# Altium PCB Working.PcbDoc
Units mil, origin at the board's own origin, x right, y up, seen from the top; angles counter-clockwise.
Board outline 1970 x 1180 mil, 2 copper layers (Top Layer, Bottom Layer); 65 components, 42 nets, 262 pads, 58 vias.
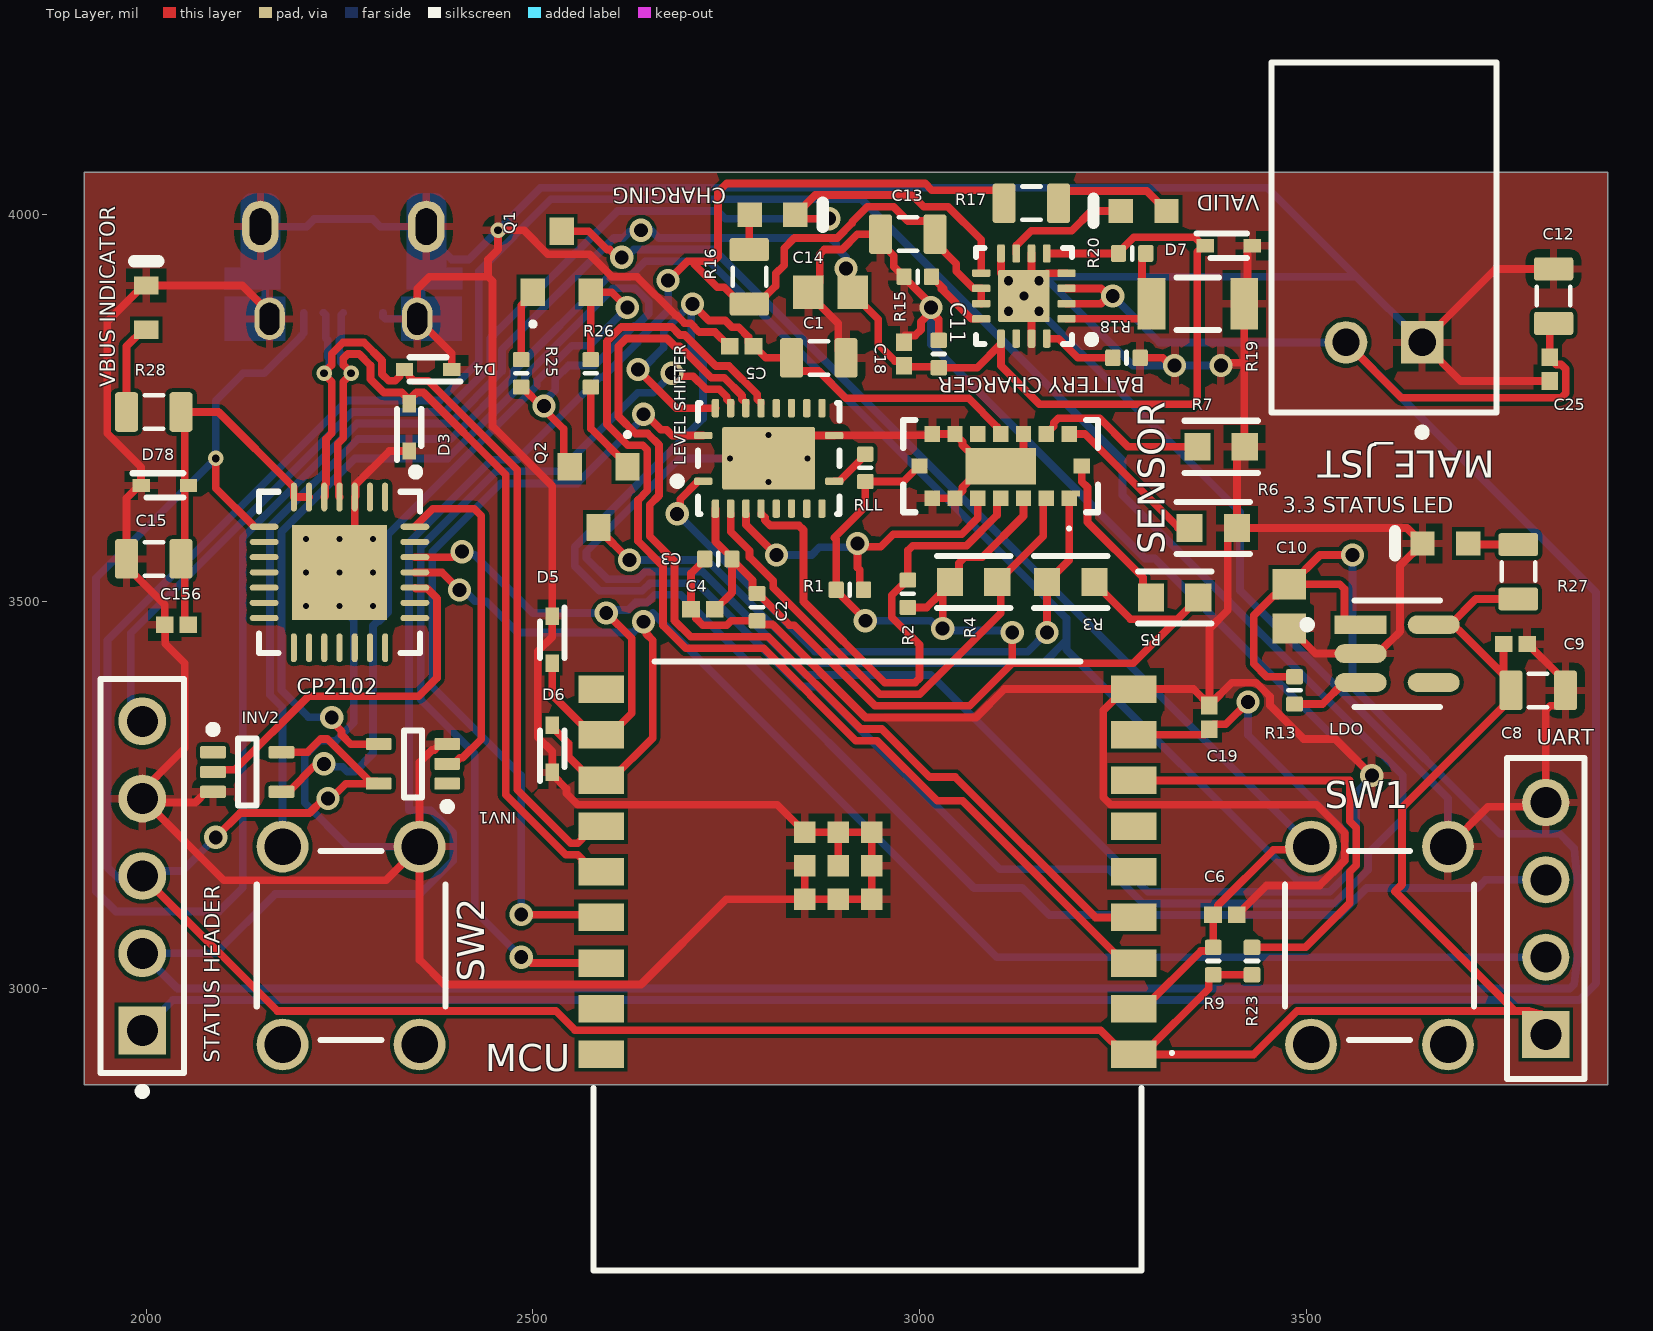
[diagram p0: Top Layer view]
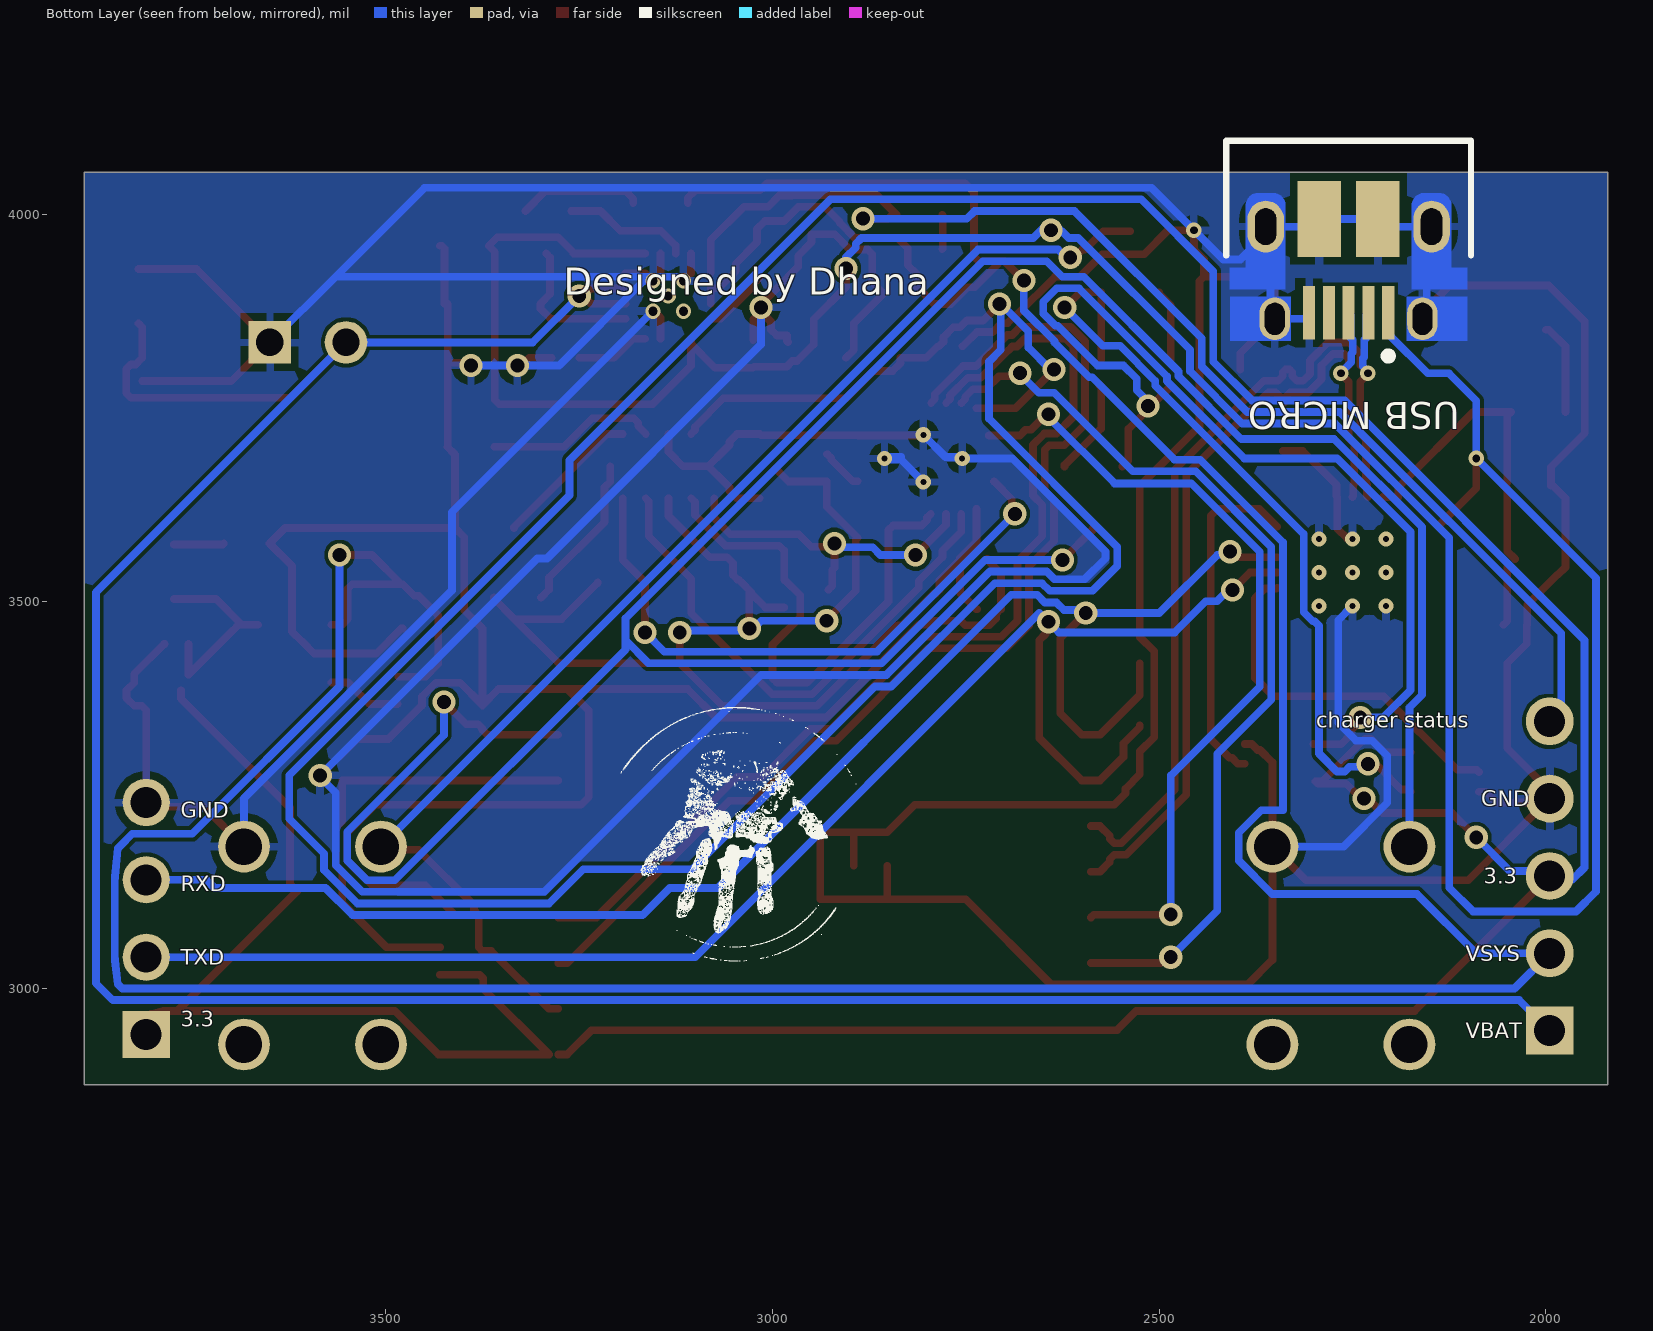
[diagram p1: Bottom Layer view, seen from below]
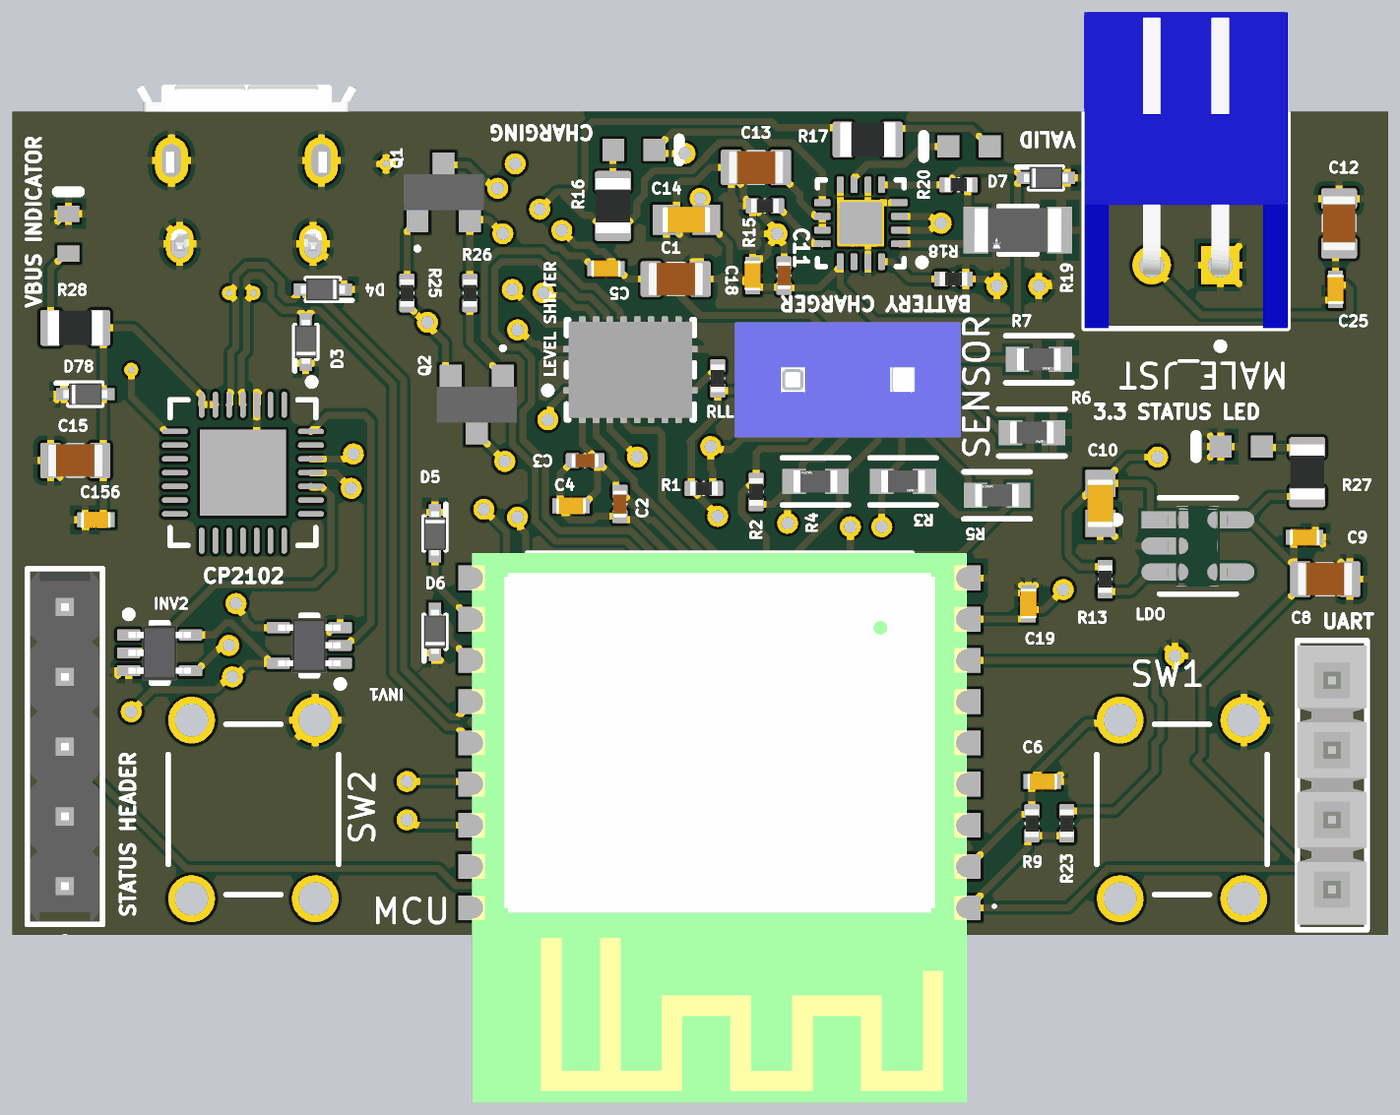
[diagram p2: 3D render of the assembled board from above, using the file's embedded part models]

## Layer stack, top to bottom
Top Solder: solder mask 0.4, Solder Resist, Dk 3.5
Top Layer: signal copper 1.4
Dielectric 1: dielectric 12.6, FR-4, Dk 4.8
Bottom Layer: signal copper 1.4
Bottom Solder: solder mask 0.4, Solder Resist, Dk 3.5

## Board outline
1920,2875 1920,4055 3890,4055 3890,2875

## Design rules (kind name [scope] priority, off if disabled: settings)
Clearance [All] p1: gap=5 ignorepadtopadclearanceinfootprint=TRUE
DiffPairsRouting DiffPairsRouting_1 [InDifferentialPair('DATA')] p1: maxlimit=5 minlimit=5 mostfreqgap=5 toplayer_minwidth=10 toplayer_maxwidth=10 toplayer_prefwidth=10 bottomlayer_minwidth=10 bottomlayer_maxwidth=10 bottomlayer_prefwidth=10 impedanceprofiledriven=TRUE impedanceprofileid={5132D88C-EF43-4570-AB47-E012B004E2EF} impedanceprofilevalue=90.000000 maxuncoupledlength=500
MinimumSolderMaskSliver [All] p1: minsoldermaskwidth=5
PolygonConnect [All] p1: connectstyle=Relief reliefconductorwidth=10 reliefentries=4 polygonreliefangle="90 Angle" airgapwidth=10
RoutingVias [All] p1: holewidth=28 width=50 viastyle="Through Hole" minholewidth=28 minwidth=50 maxholewidth=28 maxwidth=50
SilkToSilkClearance [All] p1: silktosilkclearance=5
SilkToSolderMaskClearance [IsText] p1: minsilkscreentomaskgap=1 clearancetoexposedcopper=FALSE
SolderMaskExpansion [All] p1: expansion=4 istentingtop=FALSE
SupplyNets "Schematic Supply Nets" [InNet('GND')] p1: voltage=0.000
Width [All] p1: maxlimit=10 minlimit=10 preferedwidth=10
26 further rules are at their usual default settings.

## Classes and differential pairs
differential pair DATA: +DATA_P -DATA_N

## Components (designator, comment, footprint, x,y, rotation, side; value= is the part's Value field where it differs from the comment)
"3.3 STATUS LED" "19-217/BHC-ZL1M2RY/3T" EVRL-0603-2_V 3680,3575 r180 top
"BATTERY CHARGER" "BQ24072TRGTR" RGT0016C_V 3135,3895 r180 top
C1 "Capacitor 4.7µF +/-40% 25V 0805" CAPC0805(2012)145_L 2870,3815 r0 top value=4.7µF
C2 "Capacitor 100nF +/-20% 50V 0402" CAPC0402(1005)60_L 2790,3492.72 r90 top value=100nF
C3 "Capacitor 100nF +/-20% 50V 0402" CAPC0402(1005)60_L 2740,3555 r180 top value=100nF
C4 "Capacitor 0.1 uF +/- 5% 16 V 0402" CAPC1005X56X25LL10T15 2720,3490 r180 top value=100nF
C5 "Capacitor 0.1 uF +/- 5% 16 V 0402" CAPC1005X56X25LL10T15 2770,3830 r180 top value=100nF
C6 "Capacitor 0.1 uF +/- 5% 16 V 0402" CAPC1005X56X25LL10T15 3395,3095 r180 top value=100nF
C8 "Capacitor 22µF +/-40% 16V 0805" CAPC0805(2012)145_L 3800,3385 r180 top value=22µF
C9 "Capacitor 0.1 uF +/- 5% 16 V 0402" CAPC1005X56X25LL10T15 3770.73,3445 r180 top value=100nF
C10 "Capacitor 1uF +/- 10% 16V 0603" CAPC1608X90X35ML15T15 3478.05,3493.54 r90 top value=1µF
C11 "Capacitor 10µF +/-40% 6.3V 0402" CAPC0402(1005)60_L 3025,3820 r270 top value=10µF
C12 "Capacitor 4.7µF +/-40% 25V 0805" CAPC0805(2012)145_L 3820,3895 r90 top value=4.7µF
C13 "Capacitor 4.7µF +/-40% 25V 0805" CAPC0805(2012)145_L 2985,3975 r0 top value=4.7µF
C14 "Capacitor 1uF +/- 10% 16V 0603" CAPC1608X90X35ML15T15 2885,3900 r0 top value=1µF
C15 "Capacitor 4.7µF +/-40% 25V 0805" CAPC0805(2012)145_L 2010,3555 r0 top value=4.7µF
C18 "Capacitor 0.1 uF +/- 5% 16 V 0402" CAPC1005X56X25LL10T15 2980,3820 r270 top value=100nF
C19 "Capacitor 0.1 uF +/- 5% 16 V 0402" CAPC1005X56X25LL10T15 3375,3350 r270 top value=100nF
C25 "Capacitor 0.1 uF +/- 5% 16 V 0402" CAPC1005X56X25LL10T15 3815,3800.35 r90 top value=100nF
C156 "Capacitor 0.1 uF +/- 5% 16 V 0402" CAPC1005X56X25LL10T15 2039.27,3470 r0 top value=100nF
CHARGING "LTST-C190GKT" LTST-C190GKT_V 2810,4000 r0 top (schematic designator "CHARGING STATUS LED")
CP2102 "CMP-2000-04924-1" SLAB-QFN-28-3125x3125TP_M 2250,3537.56 r270 top
D3 "RSB6.8S" SODFL1608X70N 2340,3725 r90 top
D4 "RSB6.8S" SODFL1608X70N 2364.49,3800 r180 top
D5 "RSB6.8S" SODFL1608X70N 2525,3450.51 r270 top
D6 "RSB6.8S" SODFL1608X70N 2525,3309.49 r90 top
D7 "RSB6.8S" SODFL1608X70N 3400,3960 r0 top
D78 "RSB6.8S" SODFL1608X70N 2024.31,3650 r0 top
INV1 "CMP-0859-00440-4" DCK0005A_N 2345,3290 r180 top
INV2 "CMP-0859-00440-4" DCK0005A_N 2130.71,3279.41 r0 top
LDO "AP2112K-3.3TRG1" FP-SOT25-IPC_A 3617.73,3432.6 r0 top
"LEVEL SHIFTER" "TXS0108ERGYR" FP-RGY0020A-MFG 2805,3685 r90 top
MALE_JST "S2B-XH-A(LF)(SN)" JST-S2B-XH-A(LF)(SN)_V 3600.79,3835 r180 top locked
MCU "ESP32-C3-WROOM-02-H4" ESP32C3WROOM02H4 3306.81,3422.09 r180 top locked
Q1 "L8050QLT1G" L8050QLT1G 2537.4,3939.37 r0 top
Q2 "L8050QLT1G" L8050QLT1G 2585,3635 r180 top
R1 "Resistor 2K2  +/-5 % 0402 63 mW" RESC0402(1005)_L 2910,3515 r0 top value=2.2k
R2 "Resistor 2K2  +/-5 % 0402 63 mW" RESC0402(1005)_L 2985,3510 r90 top value=2.2k
R3 "47K" FP-AC0603-IPC_B 3195.58,3525 r0 top
R4 "47K" FP-AC0603-IPC_B 3070,3525 r180 top
R5 "47K" FP-AC0603-IPC_B 3330,3505 r180 top
R6 "47K" FP-AC0603-IPC_B 3380,3595 r0 top
R7 "47K" FP-AC0603-IPC_B 3390,3700 r0 top
R9 "Resistor 10K  +/-1 % 0402 63 mW" RESC0402(1005)_L 3380,3035 r270 top value=10k
R13 "Resistor 10K  +/-1 % 0402 63 mW" RESC0402(1005)_L 3485,3385 r270 top value=10k
R15 "Resistor 3K +/-1 % 0402 63 mW" RESC0402(1005)_L 2997.72,3920 r0 top value=3k
R16 "Resistor 1K +/-5% 0805 125 mW" RESC0805(2012)_L 2780,3920 r90 top value=1k
R17 "Resistor 1K +/-5% 0805 125 mW" RESC0805(2012)_L 3144.96,4015 r0 top value=1k
R18 "Resistor 2K +/-5 % 0402 63 mW" RESC0402(1005)_L 3267.72,3815 r0 top value=2k
R19 "2.5k" FP-PLTU1206-MFG 3360,3885 r180 top
R20 "Resistor 10K  +/-1 % 0402 63 mW" RESC0402(1005)_L 3275,3950 r180 top value=10k
R23 "Resistor 10K  +/-1 % 0402 63 mW" RESC0402(1005)_L 3430,3035 r90 top value=10k
R25 "Resistor 10K  +/-1 % 0402 63 mW" RESC0402(1005)_L 2485,3795 r90 top value=10k
R26 "Resistor 10K  +/-1 % 0402 63 mW" RESC0402(1005)_L 2575,3795 r270 top value=10k
R27 "Resistor 1K +/-5% 0805 125 mW" RESC0805(2012)_L 3774.41,3538.58 r90 top value=1k
R28 "Resistor 1K +/-5% 0805 125 mW" RESC0805(2012)_L 2010,3745 r0 top value=1k
RLL "Resistor 10K  +/-1 % 0402 63 mW" RESC0402(1005)_L 2930,3672.72 r90 top value=10k
SENSOR "VL53L8CXV0GC_1" VL53L8CXV0GC1 3105,3675 r90 top
"STATUS HEADER" "CMP-00257-00278173-1" FP-22-28-4050-MFG 1995,3145 r90 top
SW1 "TS-1109" BEST-TS-1109_V 3595,3055 r90 top
SW2 "TS-1109" BEST-TS-1109_V 2265,3055 r90 top
UART "TSW-104-08-G-S" SMTC-TSW-104-08-X-S 3810,2940 r90 top
"USB MICRO" "10103594-0001LF" FCI-10103594-0001LF_V 2255,3930 r0 bottom
VALID "LTST-C190GKT" LTST-C190GKT_V 3290,4005 r180 top (schematic designator "VALID INPUT LED")
"VBUS INDICATOR" "TLMS1100-GS08" VISH-TLMX1100_V 2000,3880 r90 top

## Footprints (in the part's own frame and the unit in brackets; to place one, negate y for a bottom-side part, rotate by r counter-clockwise, add the part's x,y. Pads: shape width x height; smd on the part's side, far side on the other; paste and mask are expansions set on the pad)
BEST-TS-1109_V [mm] "THD, 4-Leads, Body 6.2x6.2mm"
  round 1.7 hole 1.2: 1(-3.25,2.25) 2(3.25,2.25) 3(-3.25,-2.25) 4(3.25,-2.25)
  silkscreen extent -3.1,-3.1 3.1,3.1
CAPC0402(1005)60_L [mm] "Chip Capacitor, Body 1.0x0.5mm, Height 0.6mm, IPC High Density"
  rrect25% 0.5x0.55 smd: 1(-0.45,0) 2(0.45,0)
  silkscreen extent 0,-0.2 0,0.2, body extent -0.5,-0.25 0.5,0.25, height 0.6
CAPC0805(2012)145_L [mm] "Chip Capacitor, Body 2.0x1.2mm, Height 1.45mm, IPC High Density"
  rrect25% 0.76x1.3 smd: 1(-0.9,0) 2(0.89,0)
  silkscreen extent -0.3,-0.55 0.3,0.55, body extent -1,-0.6 1,0.6, height 1.45
CAPC1005X56X25LL10T15 [mm] "Chip Capacitor, 2-Leads, Body 1.10x0.60mm, IPC High Density"
  rect 0.58x0.54 smd: 1(-0.39,0) 2(0.39,0)
  body extent -0.55,-0.3 0.55,0.3, height 0.56
CAPC1608X90X35ML15T15 [mm] "Chip Capacitor, 2-Leads, Body 1.75x0.95mm, IPC Low Density"
  rect 1x1.1 smd: 1(-0.725,0) 2(0.725,0)
  body extent -0.87,-0.48 0.87,0.48, height 0.9
DCK0005A_N [mm] "SOT23, 5-Leads, Body 2.15x1.4mm, Pitch 0.65mm, IPC Medium Density"
  rrect25% 0.85x0.4 smd: 1(-1.125,0.65) 2(-1.125,0) 3(-1.125,-0.65) 4(1.125,-0.65) 5(1.125,0.65)
  silkscreen extent -1.25,-1.1 0.3,1.52, body extent -1.14,-1 1.14,1, height 0.94
ESP32C3WROOM02H4 [mm]
  rect 1.5x0.9 smd: 1(0.75,12.9) 2(0.75,11.4) 3(0.75,9.9) 4(0.75,8.4) 5(0.75,6.9) 6(0.75,5.4) 7(0.75,3.9) 8(0.75,2.4) 9(0.75,0.9) 10(18.25,0.9) 11(18.25,2.4) 12(18.25,3.9) 13(18.25,5.4) 14(18.25,6.9) 15(18.25,8.4) 16(18.25,9.9) 17(18.25,11.4) 18(18.25,12.9)
  rect 0.7x0.7 smd: 19(10.46,6.7) 20(11.56,6.7) 21(11.56,7.8) 22(10.46,7.8) 23(9.36,7.8) 24(9.36,6.7) 25(9.36,5.6) 26(10.46,5.6) 27(11.56,5.6)
  silkscreen extent -0.55,0 18.5,20, body extent 0.5,0 18.5,20, height 3.2
EVRL-0603-2_V [mm] "SMD, 2-Leads, Body 1.6x0.8mm"
  rect 0.8x0.8 smd: 1(-0.75,0) 2(0.75,0)
  silkscreen extent 1.65,-0.4 1.65,0.4, body extent -0.8,-0.4 0.8,0.4, height 0.5
FCI-10103594-0001LF_V [mm] "SMD, 5-Leads, Body 8.04x5.62mm, Pitch 0.65 mm"
  rect 0.4x1.75 smd: 1(-1.3,1.435) 2(-0.65,1.435) 3(0,1.435) 4(0.65,1.435) 5(1.3,1.435)
  oval 1x1.4 hole 0.65 slot 1.05 at 90 deg: 6(-2.425,1.64) 7(2.425,1.64)
  oval 1.2x1.7 hole 0.7 slot 1.2 at 90 deg: 8(2.725,-1.39) 9(-2.725,-1.39)
  rect 1.425x2.5 smd: 10(-0.962,-1.64) 11(0.962,-1.64)
  Top Layer region: 3.9,0.91 1.9,0.91 1.9,2.37 3.9,2.37
  Top Layer region: -3.9,2.37 -1.9,2.37 -1.9,0.91 -3.9,0.91
  Top Layer region: 3.375,-0.04 3.375,-2.09 3.373,-2.129 3.369,-2.167 3.365,-2.185 3.359,-2.203 3.348,-2.239 3.329,-2.277 3.308,-2.312 3.284,-2.344 3.258,-2.374 3.227,-2.401 3.194,-2.426 3.158,-2.446 3.121,-2.464 3.08,-2.477 3.049,-2.483 3.012,-2.488 2.975,-2.49 2.475,-2.49 2.432,-2.488 2.391,-2.481 2.351,-2.471 2.312,-2.456 2.28,-2.439 2.249,-2.421 2.217,-2.396 2.19,-2.37 2.164,-2.342 2.143,-2.312 2.121,-2.277 2.105,-2.241 2.093,-2.209 2.088,-2.192 2.084,-2.175 2.08,-2.155 2.076,-2.134 2.075,-2.112 2.075,-2.09 2.075,-0.04 2.075,0.66 3.9,0.66 3.9,-0.04
  Top Layer region: -3.375,-0.04 -3.375,-2.09 -3.373,-2.129 -3.369,-2.167 -3.365,-2.185 -3.359,-2.203 -3.348,-2.239 -3.329,-2.277 -3.308,-2.312 -3.284,-2.344 -3.258,-2.374 -3.227,-2.401 -3.194,-2.426 -3.158,-2.446 -3.121,-2.464 -3.08,-2.477 -3.049,-2.483 -3.012,-2.488 -2.975,-2.49 -2.475,-2.49 -2.432,-2.488 -2.391,-2.482 -2.351,-2.471 -2.312,-2.456 -2.28,-2.439 -2.249,-2.421 -2.217,-2.397 -2.19,-2.37 -2.164,-2.342 -2.143,-2.312 -2.121,-2.277 -2.105,-2.241 -2.093,-2.209 -2.088,-2.192 -2.084,-2.175 -2.08,-2.155 -2.076,-2.134 -2.075,-2.112 -2.075,-2.09 -2.075,-0.04 -2.075,0.66 -3.9,0.66 -3.9,-0.04
  silkscreen extent -4.02,-4.21 4.02,2.98, body extent -4.02,-4.15 4.02,1.88, height 2.9
FP-22-28-4050-MFG [mm]
  rect 1.57x1.57 hole 1.02 paste-2539.97 mask+0: 1(-5.08,0)
  round 1.57 hole 1.02 paste-2539.97 mask+0: 2(-2.54,0) 3(0,0) 4(2.54,0) 5(5.08,0)
  silkscreen extent -7.2,-1.37 6.48,1.37, body extent -6.58,-1.47 6.58,1.47, height 0.25
FP-AC0603-IPC_B [mil]
  rect 33.81x35.91 smd paste+0 mask+0: 1(-30.58,0) 2(30.58,0)
  silkscreen extent -47,-34 47,34, body extent -57,-28 57,28, height 10
FP-PLTU1206-MFG [mil]
  rect 36x67 smd paste+0 mask+0: 1(-60,0) 2(60,0)
  silkscreen extent -27,-34 27,34, body extent -82,-38 82,38, height 10
FP-RGY0020A-MFG [mm]
  rrect42% 0.24x0.6 smd paste+0 mask+0: 1(-0.75,2.15) 10(-0.75,-2.15) 11(0.75,-2.15) 20(0.75,2.15)
  rrect42% 0.6x0.24 smd paste+0 mask+0: 2(-1.65,1.75) 3(-1.65,1.25) 4(-1.65,0.75) 5(-1.65,0.25) 6(-1.65,-0.25) 7(-1.65,-0.75) 8(-1.65,-1.25) 9(-1.65,-1.75) 12(1.65,-1.75) 13(1.65,-1.25) 14(1.65,-0.75) 15(1.65,-0.25) 16(1.65,0.25) 17(1.65,0.75) 18(1.65,1.25) 19(1.65,1.75)
  rrect5% 2.05x3.05 smd paste-1000 mask+0: 21(0,0)
  silkscreen extent -1.83,-2.32 1.83,3.13, body extent -2.05,-2.55 2.05,2.55, height 0.25
FP-SOT25-IPC_A [mm]
  rect 1.707x0.616 smd paste+0 mask+0: 1(-1.201,0.95)
  rrect100% 1.707x0.616 smd paste+0 mask+0: 2(-1.201,0) 3(-1.201,-0.95) 4(1.201,-0.95) 5(1.201,0.95)
  silkscreen extent -3.08,-1.75 1.4,1.75, body extent -2.55,-2 2.55,2, height 0.25
JST-S2B-XH-A(LF)(SN)_V [mm] "Header, 2-Leads, Body 7.4x11.5mm, Pitch 2.5mm"
  rect 1.4x1.4 hole 0.9: 1(-1.25,0)
  round 1.4 hole 0.9: 2(1.25,0)
  silkscreen extent -3.7,-9.2 3.7,3.08, body extent -3.7,-9.2 3.7,2.3, height 5.95
L8050QLT1G [mm]
  rect 0.8x0.9 smd: 1(-0.95,-1) 2(0.95,-1) 3(0,1)
  silkscreen extent -1,-2.1 -0.9,-2, body extent -1.46,-0.65 1.46,0.65, height 1.21
LTST-C190GKT_V [mm] "SMD, 2-Leads, Body 1.6x0.8mm"
  rect 0.8x0.8 smd: 1(-0.75,0) 2(0.75,0)
  silkscreen extent 1.65,-0.4 1.65,0.4, body extent -0.8,-0.4 0.8,0.4, height 0.9
RESC0402(1005)_L [mm] "Chip Resistor, Body 1.0x0.5mm, IPC High Density"
  rrect25% 0.5x0.55 smd: 1(-0.45,0) 2(0.45,0)
  silkscreen extent 0,-0.2 0,0.2, body extent -0.5,-0.25 0.5,0.25, height 0.3
RESC0805(2012)_L [mm] "Chip Resistor, Body 2.0x1.3mm, IPC High Density"
  rrect25% 0.76x1.3 smd: 1(-0.9,0) 2(0.89,0)
  silkscreen extent -0.3,-0.55 0.3,0.55, body extent -1,-0.62 1,0.63, height 0.6
RGT0016C_V [mm] "QFN, 16-Leads, Body 3x3mm, Pitch 0.5mm, Thermal Pad 1.65x1.65mm"
  rrect40% 0.6x0.25 smd: 1(-1.4,0.75) 2(-1.4,0.25) 3(-1.4,-0.25) 4(-1.4,-0.75) 9(1.4,-0.75) 10(1.4,-0.25) 11(1.4,0.25) 12(1.4,0.75)
  rrect40% 0.25x0.6 smd: 5(-0.75,-1.4) 6(-0.25,-1.4) 7(0.25,-1.4) 8(0.75,-1.4) 13(0.75,1.4) 14(0.25,1.4) 15(-0.25,1.4) 16(-0.75,1.4)
  rrect6% 1.55x1.55 on Top Paste: 17(0,0)
  rrect6% 1.7x1.7 smd paste-0.85: 17(0,0)
  silkscreen extent -2.35,-1.57 1.57,1.58, body extent -1.5,-1.5 1.5,1.5, height 1
SLAB-QFN-28-3125x3125TP_M [mm] "QFN, 28-Leads, Body 5x5mm, Pitch 0.5mm, Thermal Pad 3.13x3.13mm, IPC Low Density"
  oval 0.95x0.2 smd: 1(-2.475,1.5) 2(-2.475,1) 3(-2.475,0.5) 4(-2.475,0) 5(-2.475,-0.5) 6(-2.475,-1) 7(-2.475,-1.5) 15(2.475,-1.5) 16(2.475,-1) 17(2.475,-0.5) 18(2.475,0) 19(2.475,0.5) 20(2.475,1) 21(2.475,1.5)
  oval 0.2x0.95 smd: 8(-1.5,-2.475) 9(-1,-2.475) 10(-0.5,-2.475) 11(0,-2.475) 12(0.5,-2.475) 13(1,-2.475) 14(1.5,-2.475) 22(1.5,2.475) 23(1,2.475) 24(0.5,2.475) 25(0,2.475) 26(-0.5,2.475) 27(-1,2.475) 28(-1.5,2.475)
  rect 3.13x3.13 smd: 29(0,0)
  silkscreen extent -3.42,-2.65 2.65,2.65, body extent -2.5,-2.5 2.5,2.5, height 1
SMTC-TSW-104-08-X-S [mm] ".025 SQ Post Terminal Strip Assembly, 1x4 Pins, Vertical, 2.54mm Pitch, Male"
  rect 1.55x1.55 hole 1.02: 1(0,0)
  round 1.55 hole 1.02: 2(2.54,0) 3(5.08,0) 4(7.62,0)
  silkscreen extent -1.46,-1.27 9.08,1.27, body extent -1.27,-1.27 8.89,1.27, height 8.38
SODFL1608X70N [mm]
  rect 0.57x0.44 smd: 1(-0.775,0) 2(0.775,0)
  silkscreen extent -1.06,-0.4 0.6,0.4, body extent -0.8,-0.4 0.8,0.4, height 0.7
VISH-TLMX1100_V [mm] "SMD, 2-Leads, Body 1.6x0.8mm"
  rect 0.6x0.8 smd: 1(-0.725,0) 2(0.725,0)
  silkscreen extent 1.53,-0.4 1.53,0.4, body extent -0.8,-0.4 0.8,0.4, height 0.65
VL53L8CXV0GC1 [mm]
  rect 0.2x0.1 smd: 1(-0.9,-2.55)
  rect 0.515x0.5 smd: A1(-1.058,-2.25) A2(-1.058,-1.5) A3(-1.058,-0.75) A4(-1.058,0) A5(-1.058,0.75) A6(-1.058,1.5) A7(-1.058,2.25) C1(1.058,-2.25) C2(1.058,-1.5) C3(1.058,-0.75) C4(1.058,0) C5(1.058,0.75) C6(1.058,1.5) C7(1.058,2.25)
  rect 0.5x0.535 smd: B1(0,-2.668) B7(0,2.668)
  rect 1.2x2.316 smd: B4(0,0)
  silkscreen extent -2.1,-3.2 1.52,3.2, body extent -2.21,-4.39 1.99,3.81, height 4.75

## Part data
"3.3 STATUS LED": library part CMP-007-00003-2, "Chip LED, Blue, 5 V, 25 mA, -40 to 85 degC, 2-Pin SMD (0603), RoHS, Tape and Reel", Case/Package=0603, Colour=Blue, Forward Current=25mA, Forward Voltage=3V, Manufacturer="Everlight Electronics", Max Operating Temperature=85°C, Min Operating Temperature=-40°C, Package Description="2-Pin Surface Mount Device, Body 1.6 x 0.8 mm", Datasheet URL=https://datasheet.ciiva.com/26901/getdatasheetpartid-420616-26901324.pdf, Datasheet Version="Rev. 1.0, 03/2003", Lens Style=Diffused, Luminous Intensity=28.5mcd, Manufacturer URL=http://www.everlight.com/, Mounting Technology=SM, Package Reference=0603, Packaging=TapeandReel, Pins=2, RoHS Compliant=True, Viewing Angle=120degrees
"BATTERY CHARGER": library part CMP-0321-00268-2, "1.5 A USB-Friendly Li-Ion Battery Charger and Power-Path Management IC, 4.3 V, -40 to 85 degC, 16-pin QFN (RGT), Green (RoHS & no Sb/Br)", Manufacturer="Texas Instruments", Over Voltage Protection=N, Code_JEDEC=MO-220, ComponentLink1Description=Datasheet, ComponentLink1URL=http://www.ti.com/general/docs/lit/getliterature.tsp?genericPartNumber=BQ24072T&fileType=pdf, DatasheetVersion=SLUS937A, Eco-Plan="Green (RoHS & no Sb/Br)", Lead Acid=N, Li-Ion=Y, Li-Polymer=Y, Mounting Technology="Surface Mount", NiCd=N, NiMH=N, PackageDescription="16-Pin Plastic Quad Flat No-Lead, 3 x 3 mm Body, 0.5 mm Pitch, 1.7 x 1.7 mm Exposed Pad", PackageReference=RGT0016C, PackageVersion="revH, Oct-2011", PartNumber=BQ24072TRGTR, SubFamily="Battery Charge Management", Vin(Min)(V)=4.3
C1 C12 C13 C15: library part CMP-001-00080-4, "Chip Capacitor, 4.7µF +/-40%, 25V, 0805, Thickness 1.45 mm", Case/Package=0805, Max Operating Temperature=85°C, Min Operating Temperature=-55°C, Tolerance=20%, Voltage Rating=25V, Mounting Technology=SMT, Pins=2
C2 C3: library part CMP-001-00067-3, "Chip Capacitor, 100nF +/-20%, 50V, 0402, Thickness 0.6 mm", Case/Package=0402, Max Operating Temperature=85°C, Min Operating Temperature=-55°C, Tolerance=10%, Voltage Rating=50V, Mounting Technology=SMT, Pins=2
C4 C5 C6 C9 C18 C19 C25 C156: library part CMP-001-00001-6, "Chip Capacitor, 0.1 uF, +/- 5%, 16 V, 0402 (1005 Metric)", Capacitor Type=Ceramic, Case/Package=0402, Max Operating Temperature=125°C, Min Operating Temperature=-55°C, Tolerance=5%, Voltage Rating=16V, Mounting Technology=SM, Pins=2, RoHS Compliant=True
C8: library part CMP-001-00081-4, "Chip Capacitor, 22µF +/-40%, 16V, 0805, Thickness 1.45 mm", Case/Package=0805, Max Operating Temperature=85°C, Min Operating Temperature=-55°C, Tolerance=5%, Voltage Rating=16V, Mounting Technology=SMT, Pins=2
C10 C14: library part CMP-001-00004-6, "Chip Capacitor, 1 uF, +/- 10%, 16 V, 0603 (1608 Metric)", Capacitor Type=Ceramic, Case/Package=0603, Max Operating Temperature=125°C, Min Operating Temperature=-55°C, Tolerance=10%, Voltage Rating=16V, Mounting Technology=SM, Pins=2, RoHS Compliant=True
C11: library part CMP-001-00074-3, "Chip Capacitor, 10µF +/-40%, 6.3V, 0402, Thickness 0.6 mm", Case/Package=0402, Max Operating Temperature=85°C, Min Operating Temperature=-55°C, Tolerance=10%, Voltage Rating=6.3V, Mounting Technology=SMT, Pins=2